# Altium PCB Van Battery Controller V1.PcbDoc (part 1 of 3) (continued)
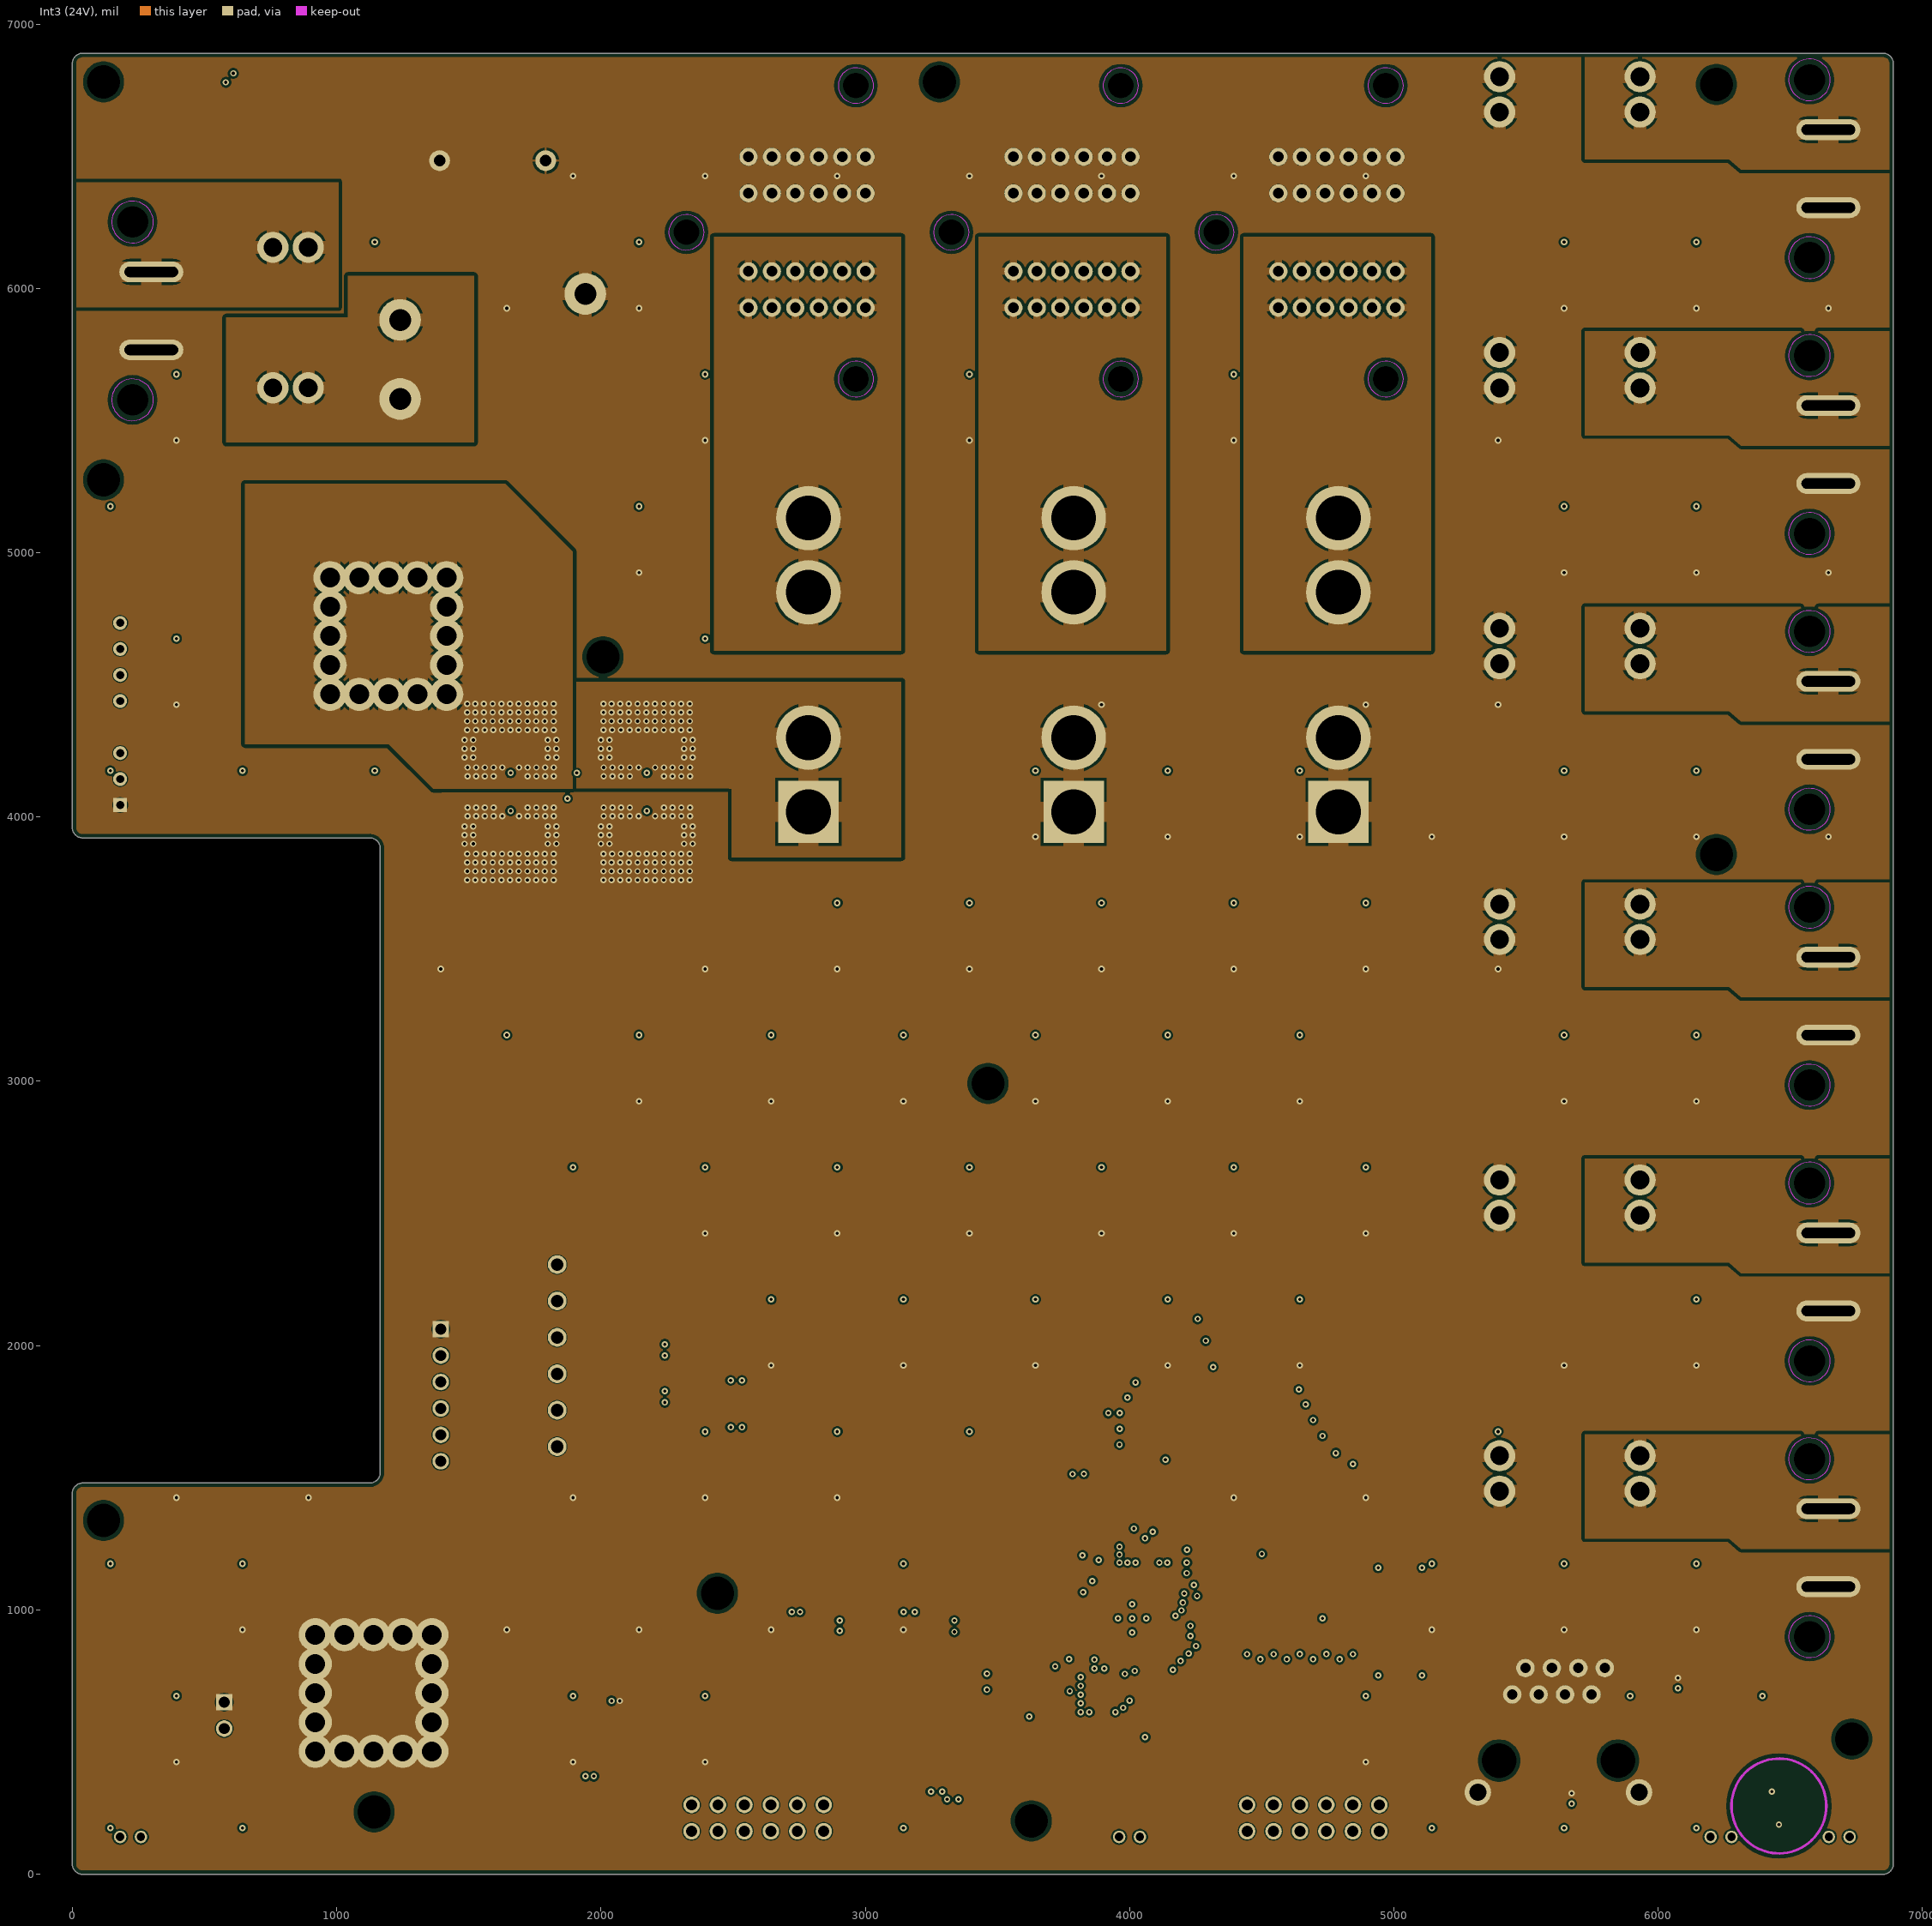
[diagram p4: Int3 (24V)]
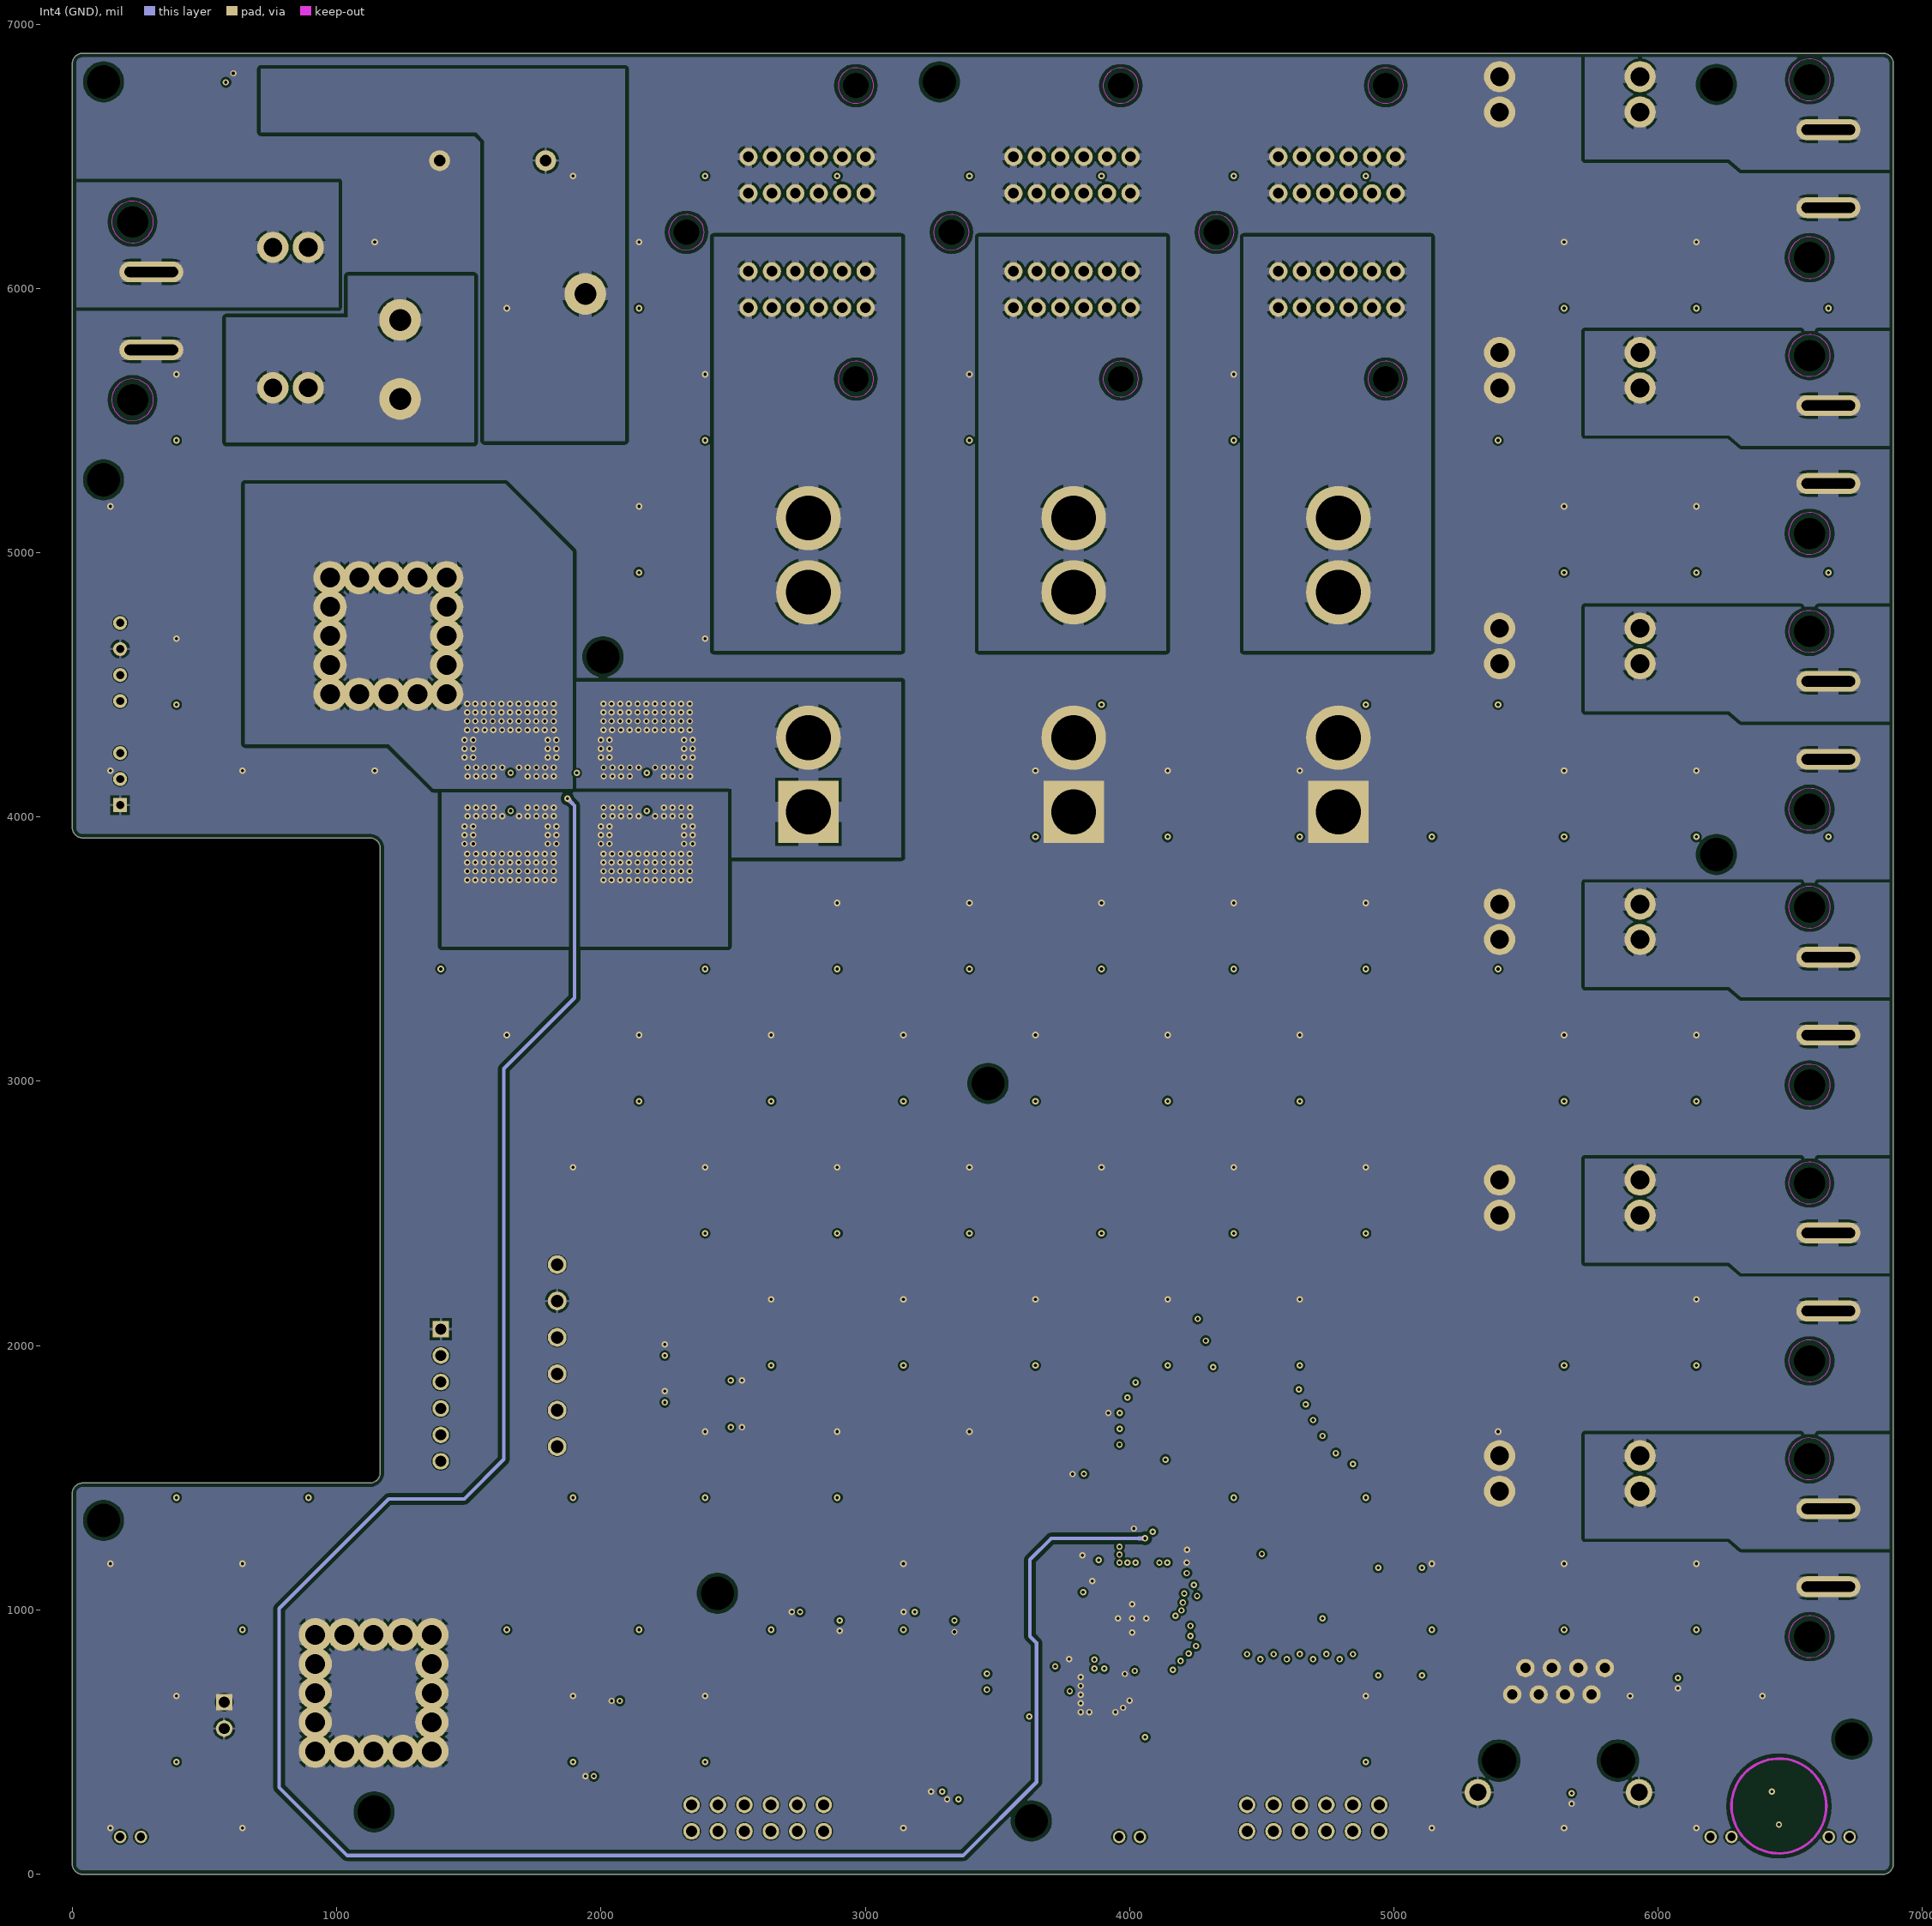
[diagram p5: Int4 (GND)]
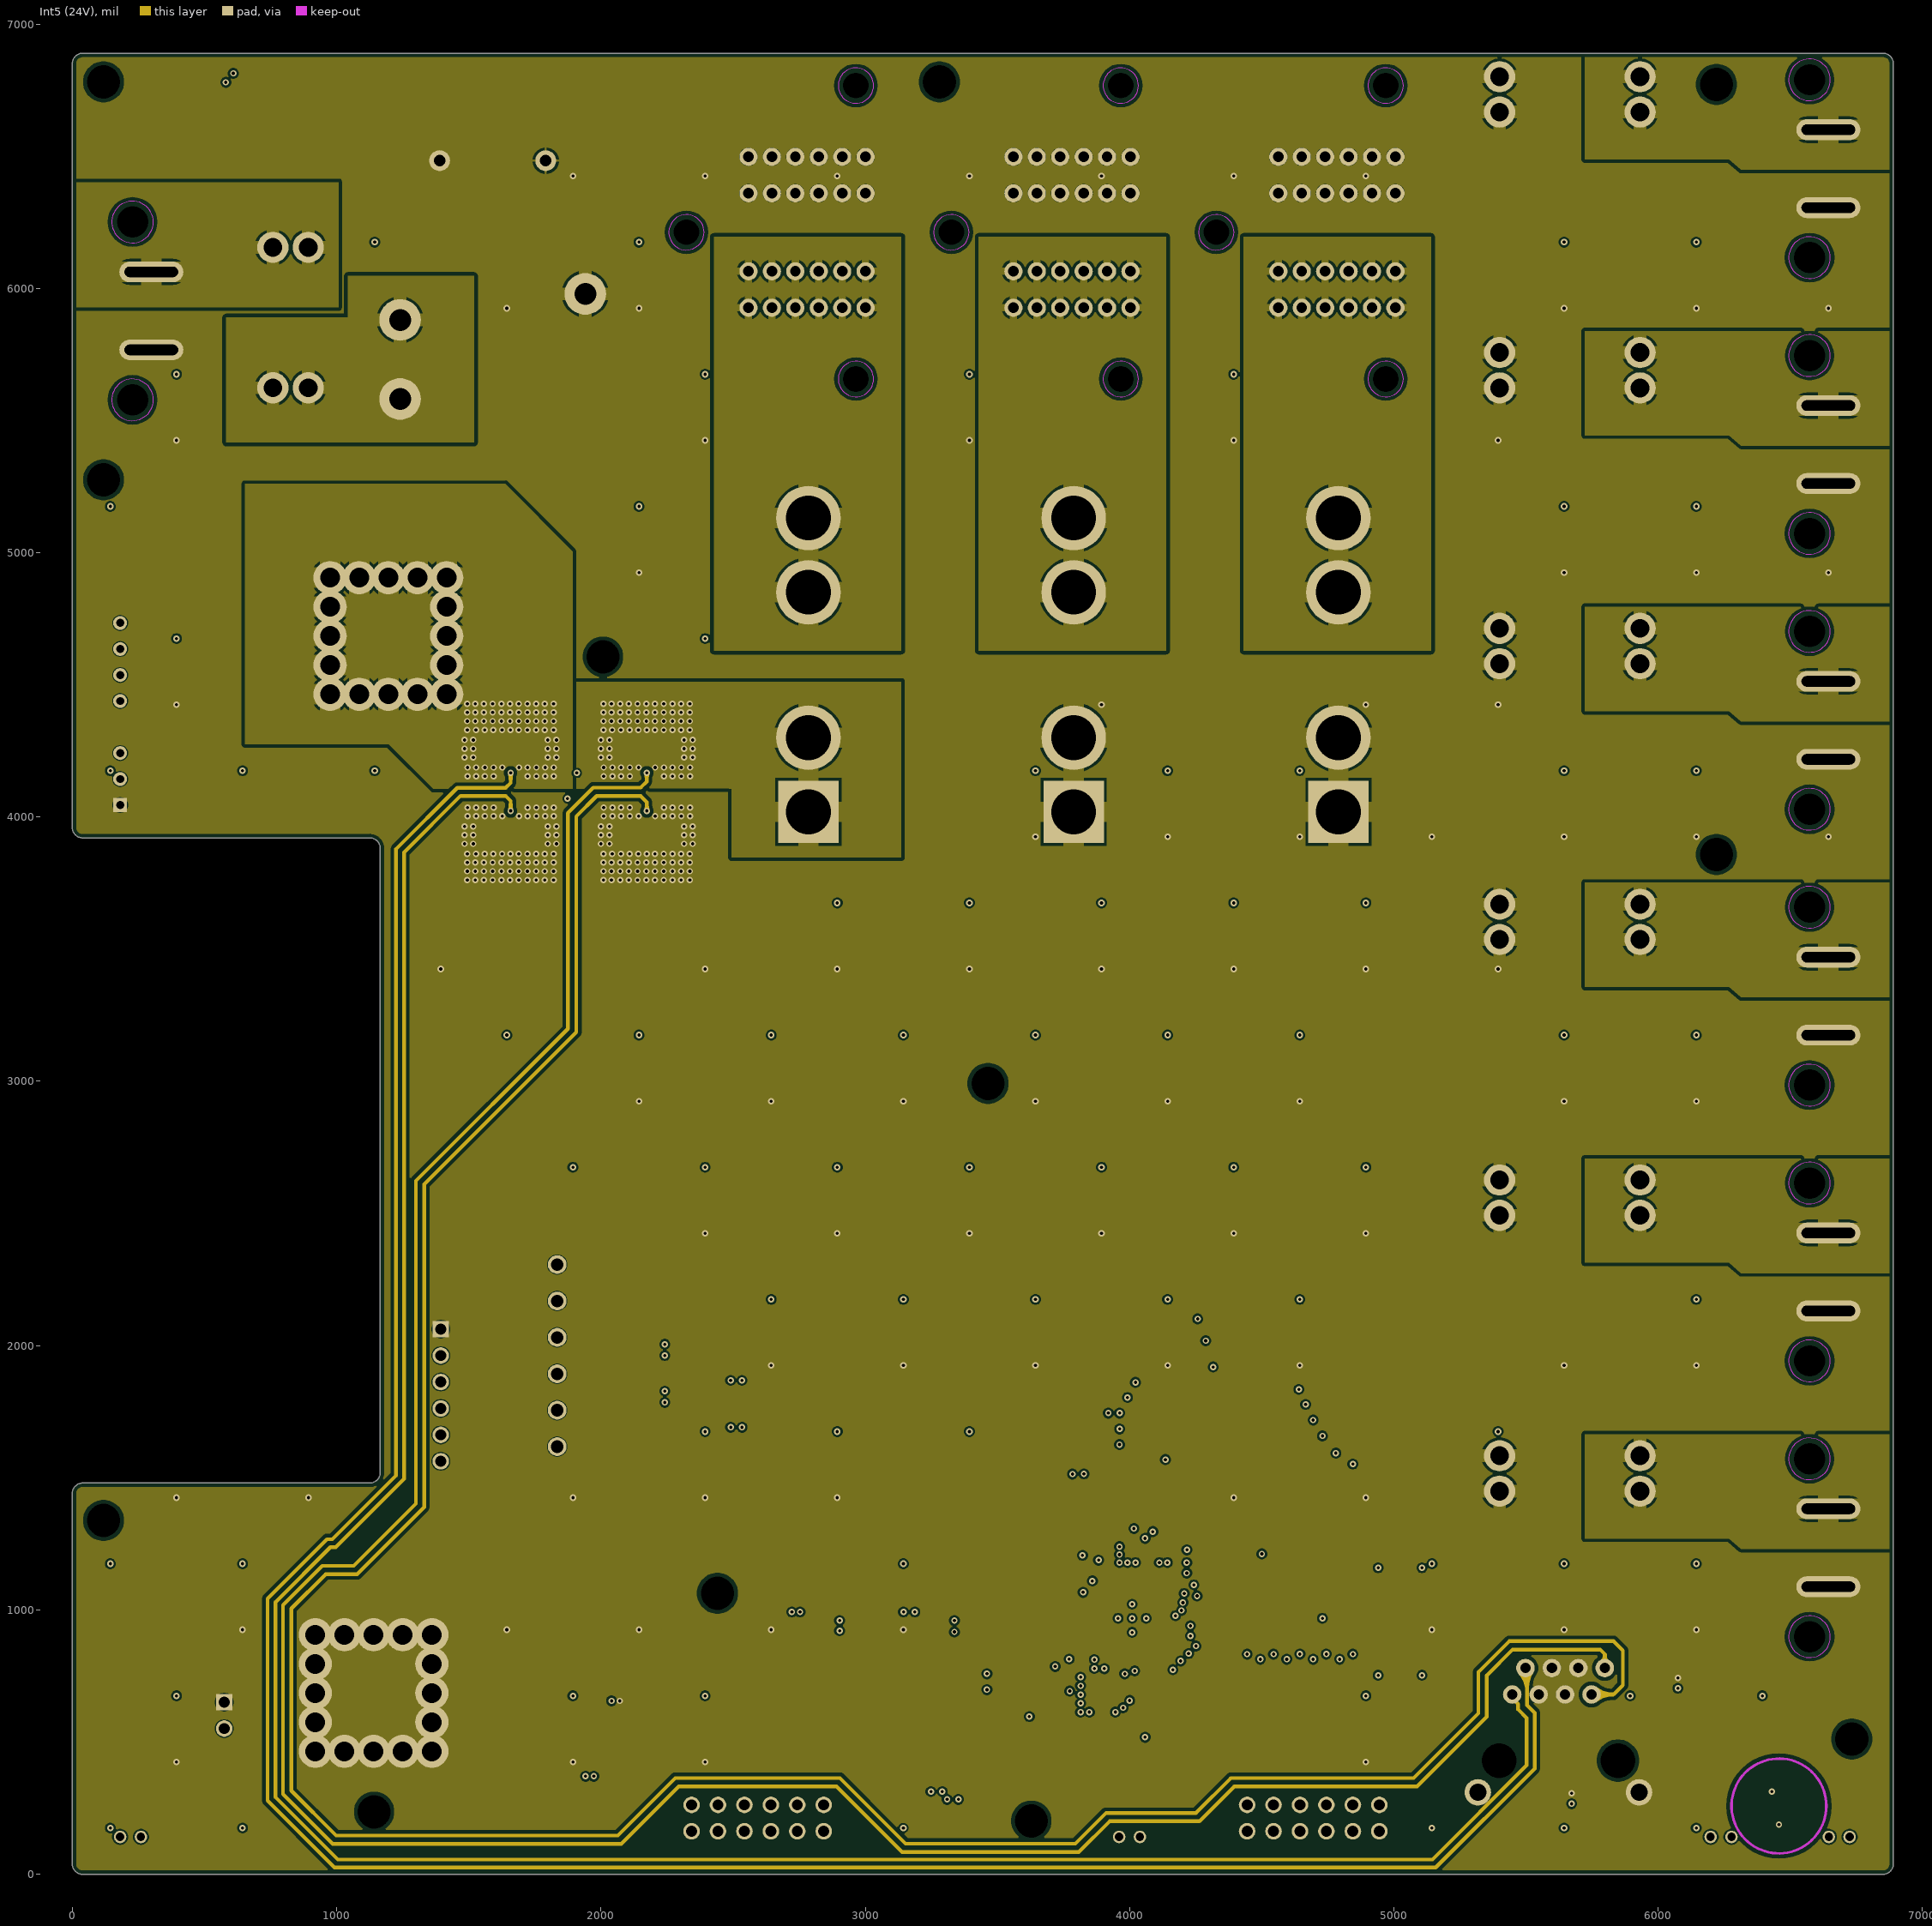
[diagram p6: Int5 (24V)]
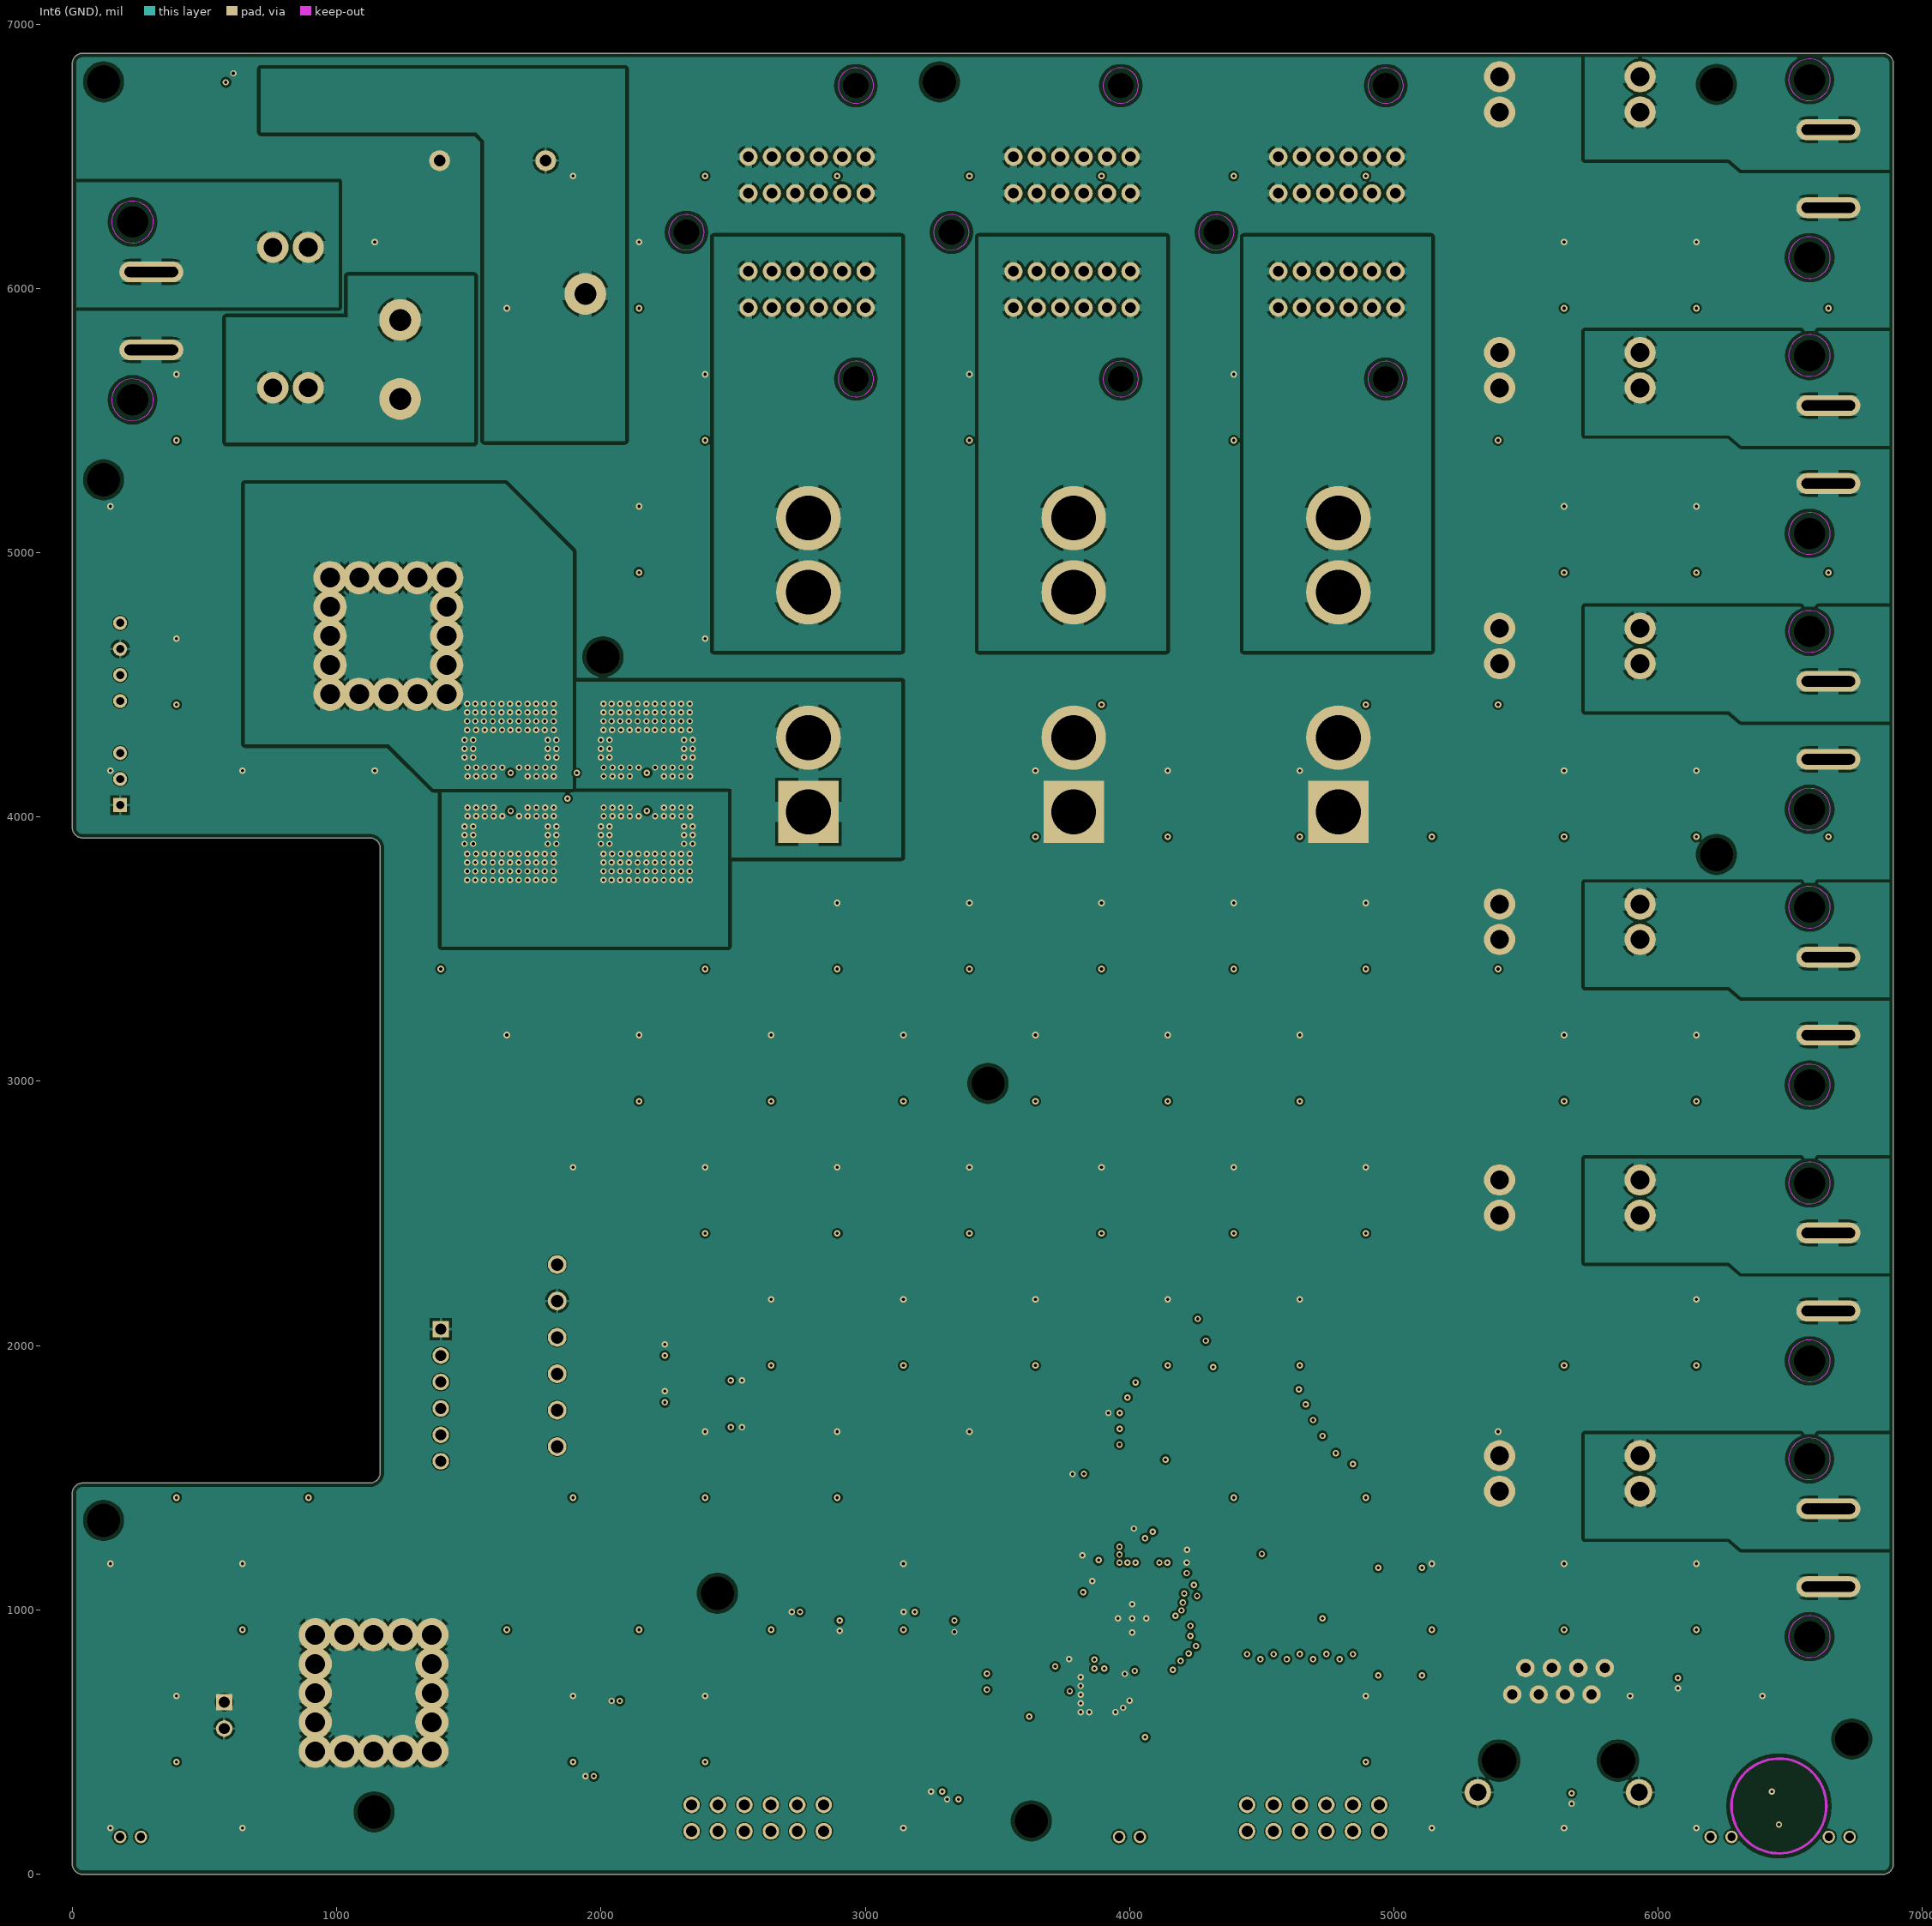
[diagram p7: Int6 (GND)]
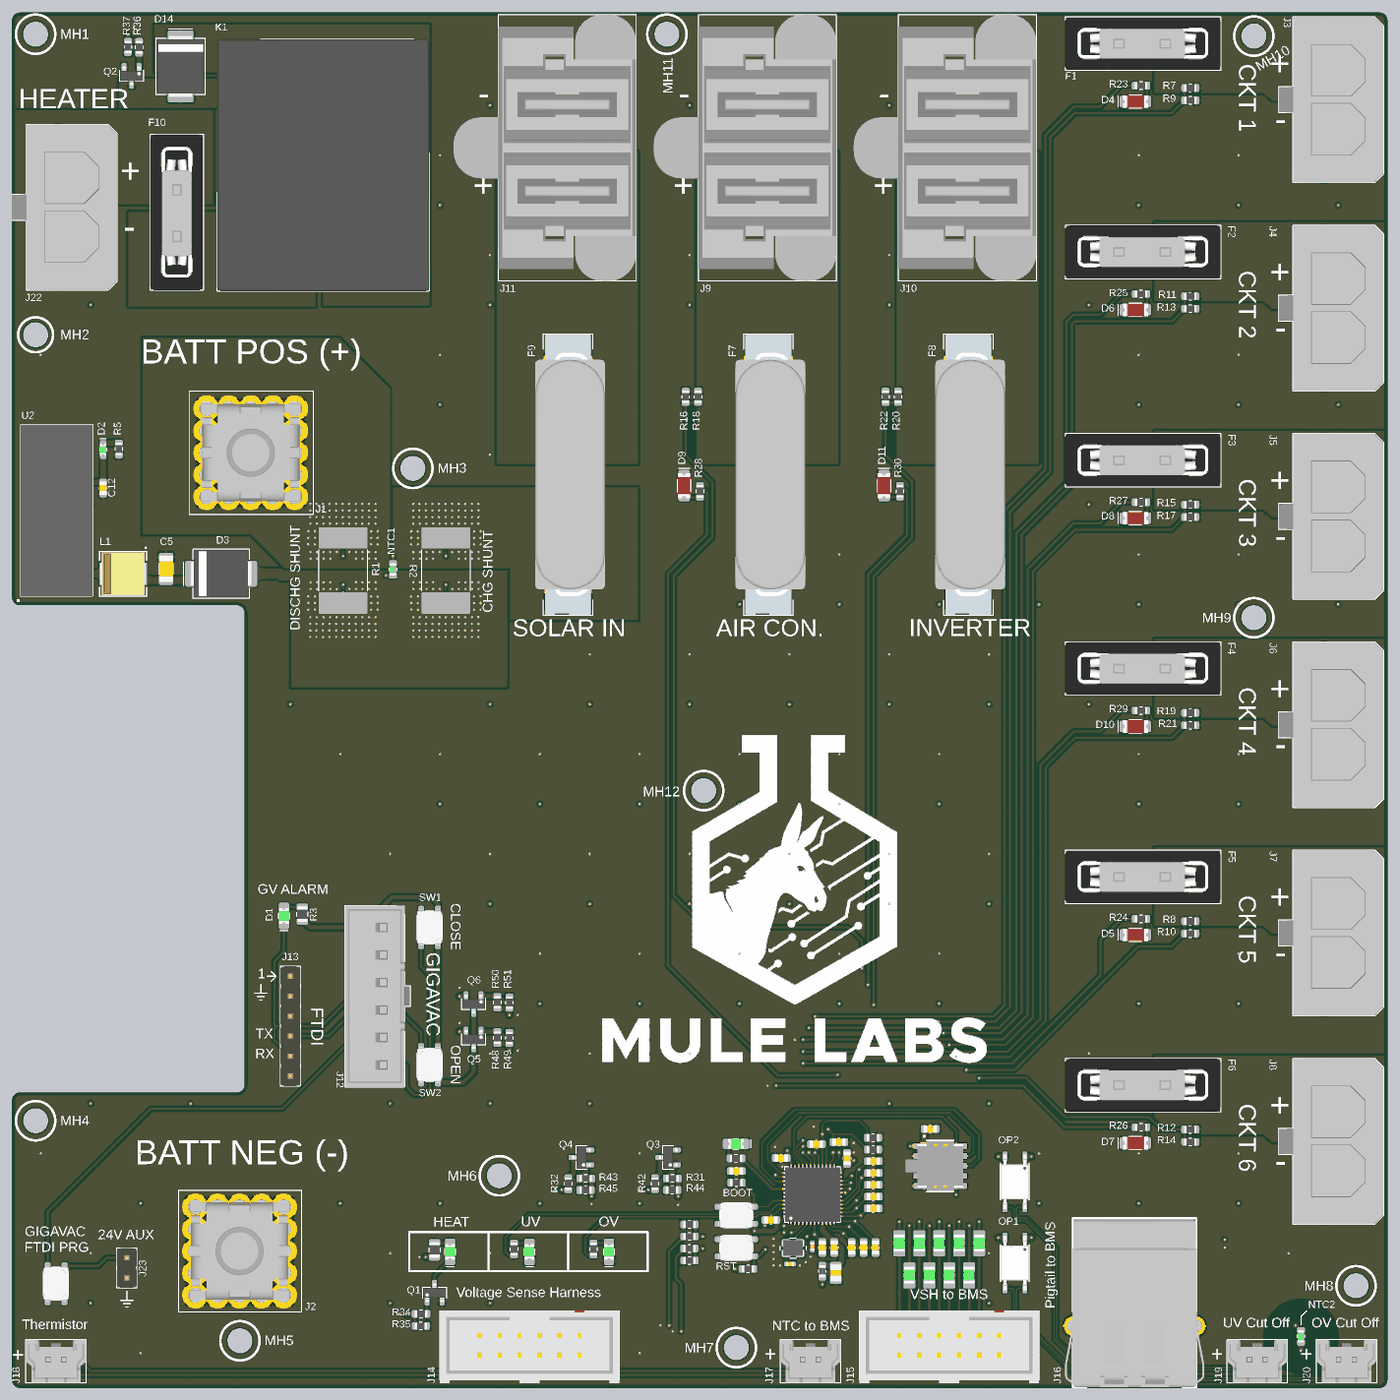
[diagram p10: 3D render of the assembled board from above, using the file's embedded part models]

## Layer stack, top to bottom
Top Solder: solder mask 1, SM-001, Dk 4
Top (Sig/GND): signal copper 1.378
Dielectric 1: prepreg 5.906, PP-006, Dk 4.1
Dielectric 2: prepreg 5.906, PP-006, Dk 4.1
Int1 (GND): signal copper 2.756
Dielectric 3: core 7.874, Core-027, Dk 4.5
Int2 (24V): signal copper 2.756
Dielectric 4: prepreg 5.906, PP-006, Dk 4.1
Dielectric 5: prepreg 5.906, PP-006, Dk 4.1
Int3 (24V): signal copper 2.756
Dielectric 6: core 7.874, Core-027, Dk 4.5
Int4 (GND): signal copper 2.756
Dielectric 7: prepreg 5.906, PP-006, Dk 4.1
Dielectric 8: prepreg 5.906, PP-006, Dk 4.1
Int5 (24V): signal copper 2.756
Dielectric 9: core 7.874, Core-027, Dk 4.5
Int6 (GND): signal copper 2.756
Dielectric 10: prepreg 5.906, PP-006, Dk 4.1
Dielectric 11: prepreg 5.906, PP-006, Dk 4.1
Bottom (Sig/GND): signal copper 1.378
Bottom Solder: solder mask 1, SM-001, Dk 4

## Board outline
39.37,0 cw(c39.37,39.37) 0,39.37 0,1440.75 cw(c39.37,1440.75) 39.37,1480.12 1125.79,1480.12 ccw(c1125.79,1519.49) 1165.16,1519.49 1165.16,3881.69 ccw(c1125.79,3881.69) 1125.79,3921.06 39.37,3921.06 cw(c39.37,3960.43) 0,3960.43 0,6850.39 cw(c39.37,6850.39) 39.37,6889.76 6850.39,6889.76 cw(c6850.39,6850.39) 6889.76,6850.39 6889.76,39.37 cw(c6850.39,39.37) 6850.39,0
